# Altium PCB fpga.PcbDoc (part 1 of 11)
Units mm, origin at the board's own origin, x right, y up, seen from the top; angles counter-clockwise.
Board outline 210 x 210 mm, 2 copper layers (Top Layer, Bottom Layer), stack 1.591 mm thick; 639 components, 1839 nets, 4759 pads, 4016 vias.
Unrouted connection lines stored in the file: 10.
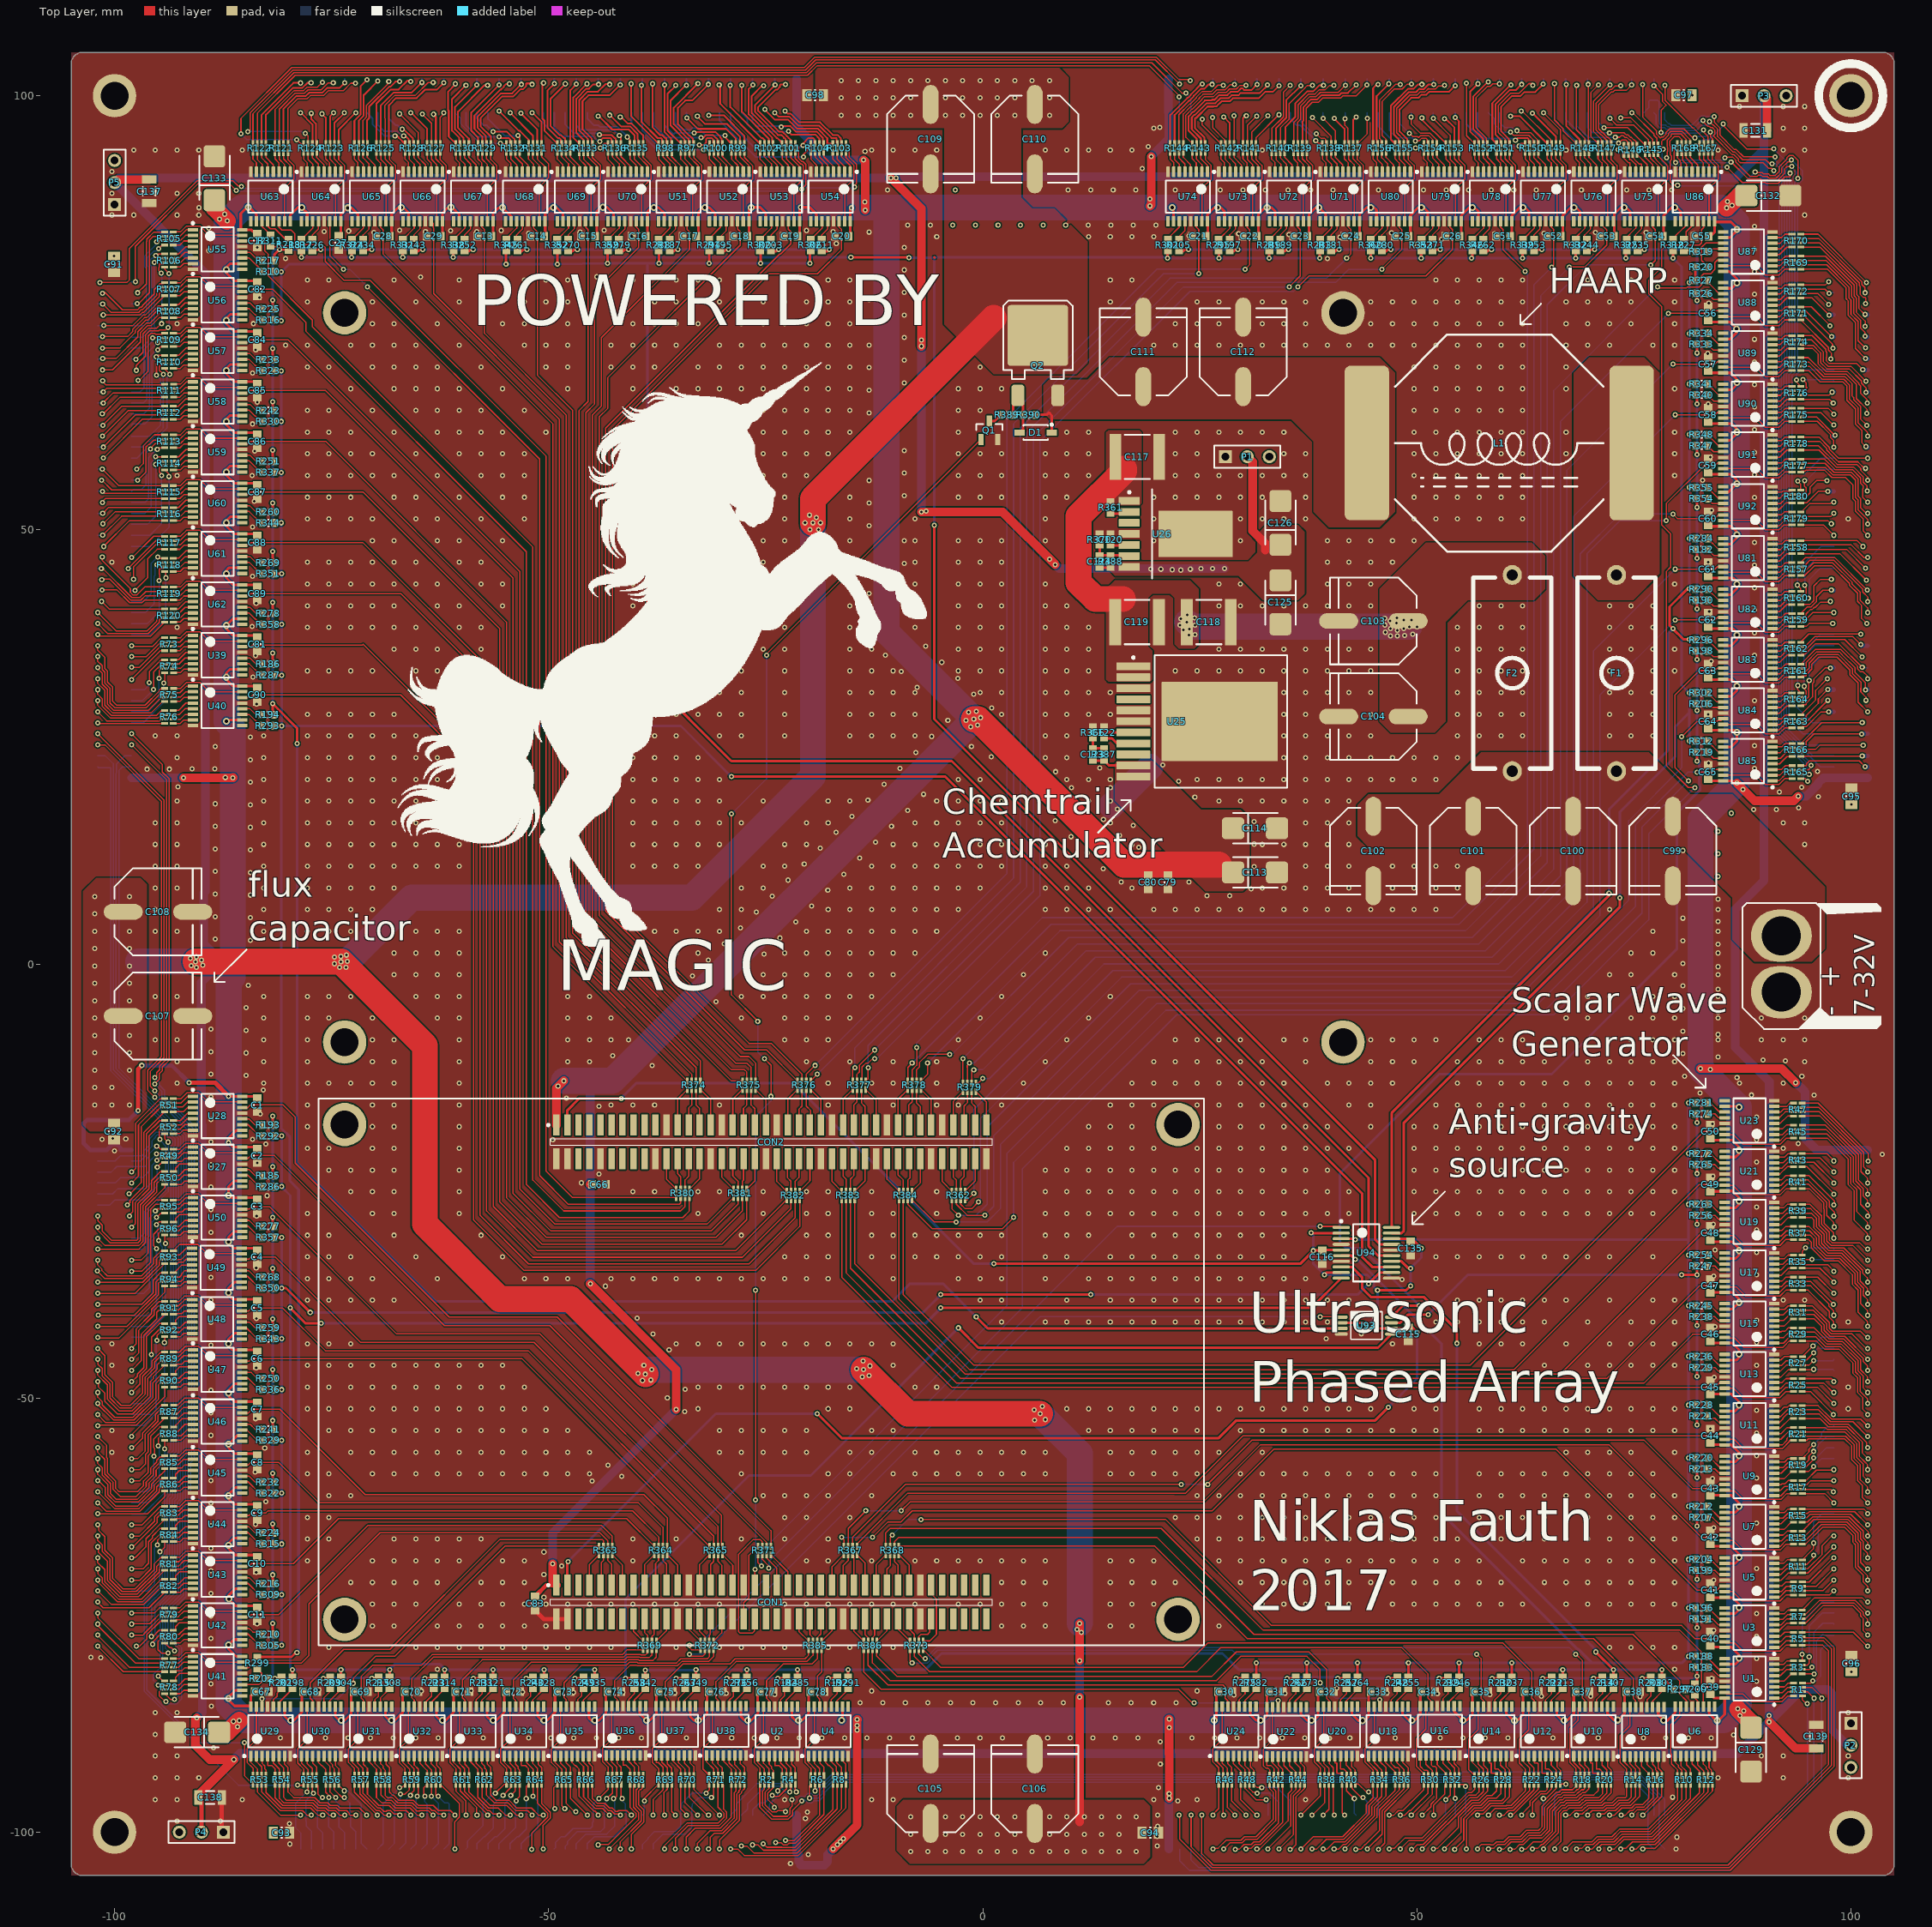
[diagram p0: Top Layer view]
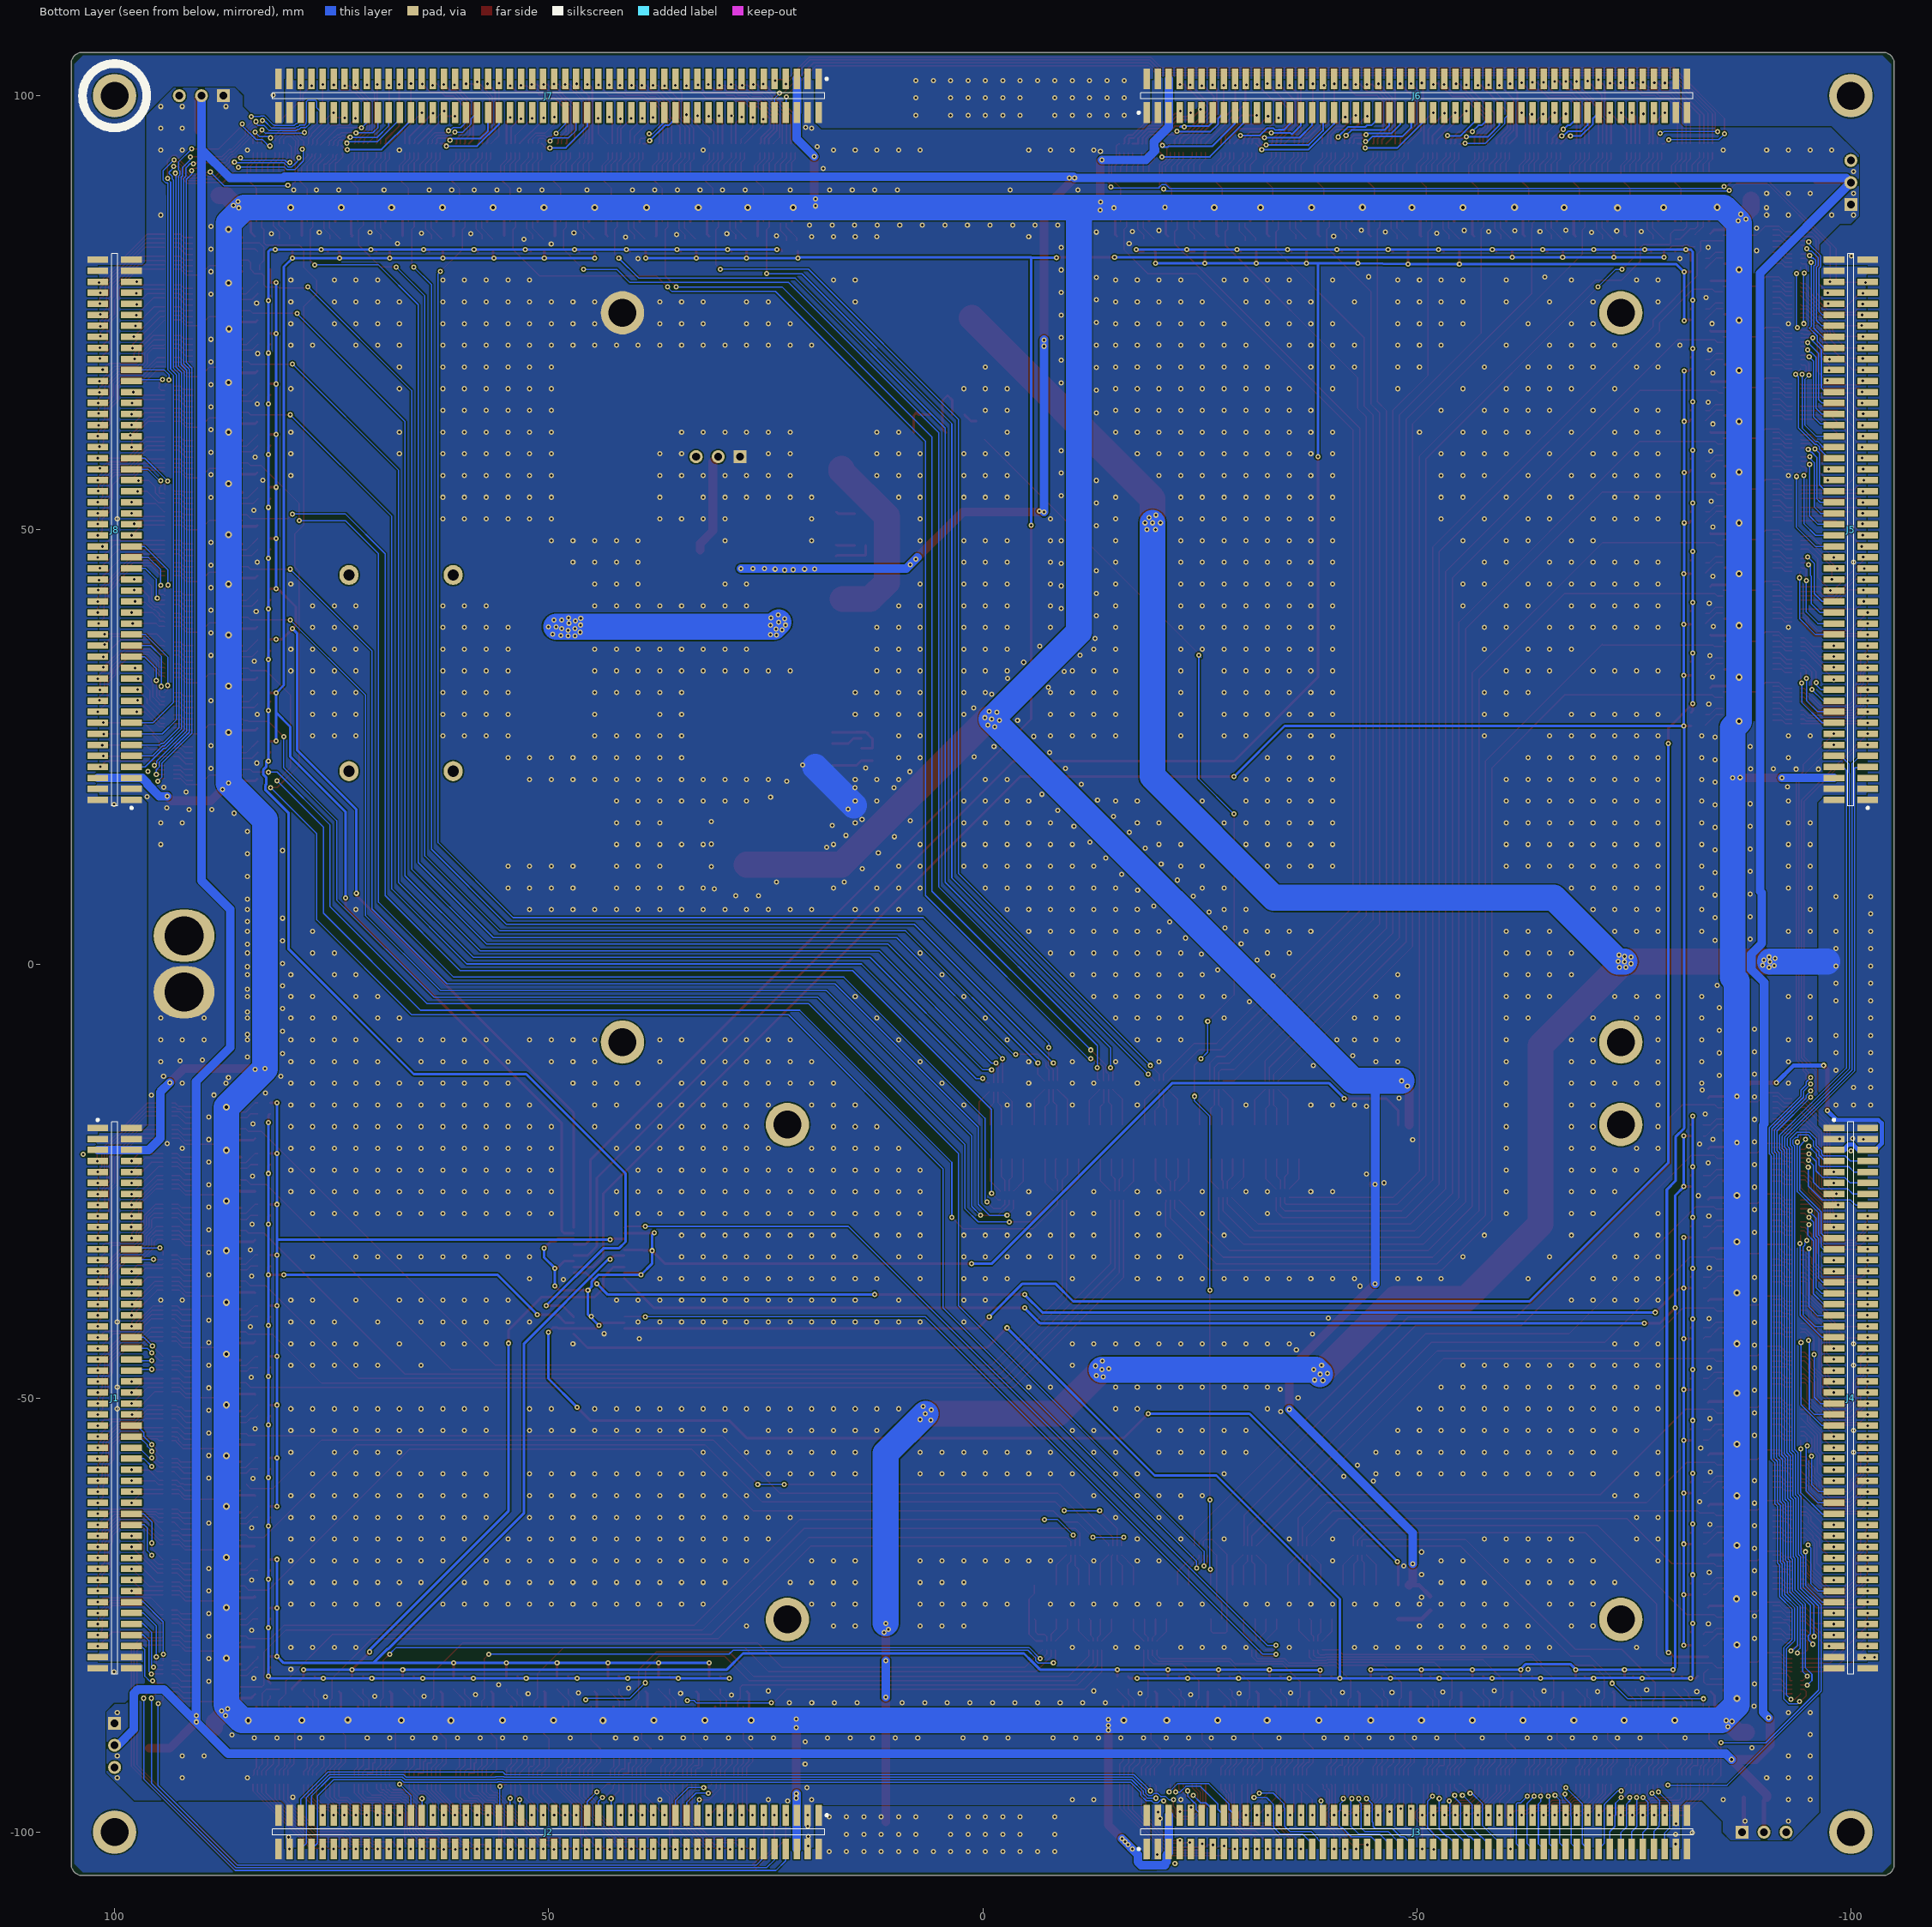
[diagram p1: Bottom Layer view, seen from below]
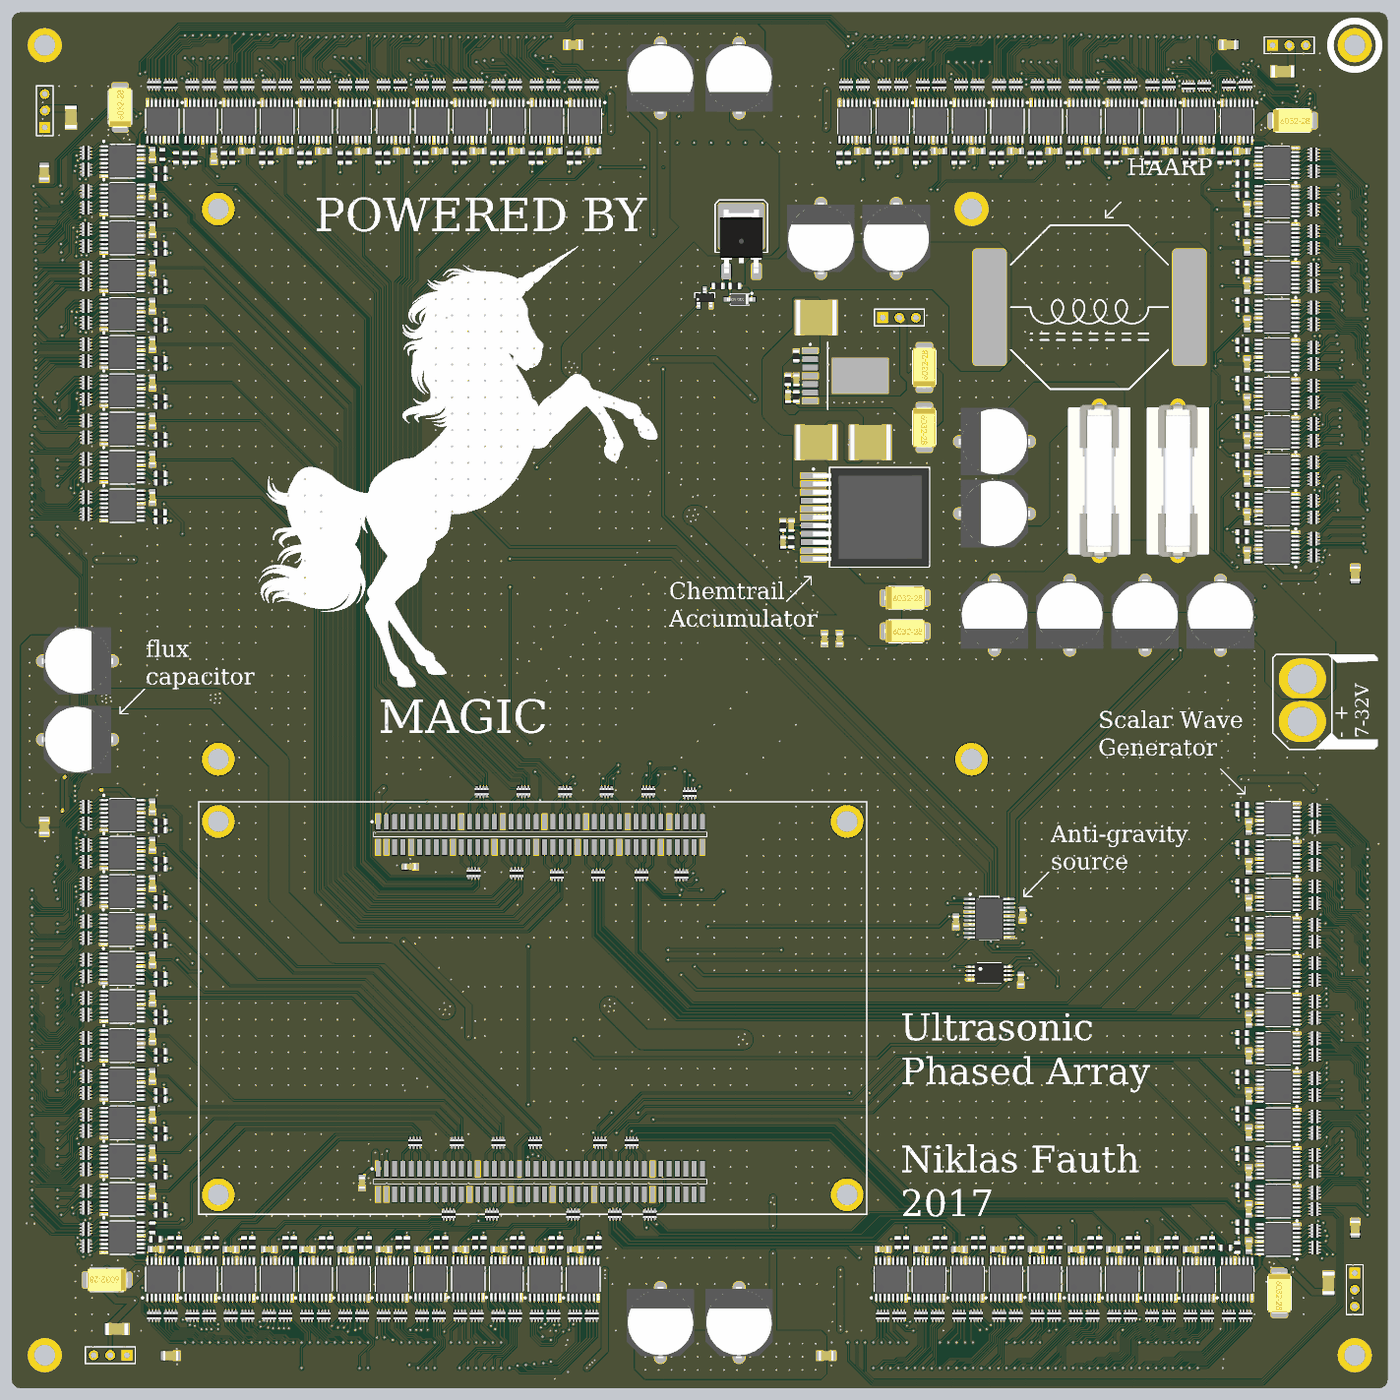
[diagram p12: 3D render of the assembled board from above, using the file's embedded part models]

## Layer stack, top to bottom
Top Solder: solder mask 0.0102, Solder Resist, Dk 3.5
Top Layer: signal copper 0.0356
Dielectric 1: dielectric 1.52, FR-4, Dk 4.8
Bottom Layer: signal copper 0.0356
Bottom Solder: solder mask 0.0102, Solder Resist, Dk 3.5

## Board outline
-105,-103.73 -105,103.73 cw(c-103.73,103.73) -103.73,105 103.73,105 cw(c103.73,103.73) 105,103.73 105,-103.73 cw(c103.73,-103.73) 103.73,-105 -103.73,-105 cw(c-103.73,-103.73)

## Design rules (kind name [scope] priority, off if disabled: settings)
Clearance [All] p1: gap=0.15 ignorepadtopadclearanceinfootprint=FALSE
ComponentClearance [All] p1 off: gap=0.254 collisioncheckmode=3 verticalgap=0.254 showdistances=FALSE
PlaneConnect [All] p1: planeconnectstyle=Direct reliefexpansion=0.508 reliefentries=4 reliefconductorwidth=0.254 reliefairgap=0.254
PolygonConnect [All] p1: connectstyle=Direct reliefconductorwidth=0.254 reliefentries=4 polygonreliefangle="90 Angle" airgapwidth=0.15
RoutingVias [All] p1: holewidth=0.3 width=0.6 viastyle="Through Hole" minholewidth=0.3 minwidth=0.5 maxholewidth=0.711 maxwidth=1.27
SolderMaskExpansion [All] p1: expansion=0.102
Width [All] p1: maxlimit=3 minlimit=0.15 preferedwidth=0.15
28 further rules are at their usual default settings.

## Classes and differential pairs
component class fpga: C1 C2 C3 C4 C5 C6 C7 C8 C9 C10 C11 C12 C13 C14 C15 C16 C17 C18 C19 C20 C21 C22 C23 C24 C25 C26 C27 C28 C29 C30 C31 C32 C33 C34 C35 C36 C37 C38 C39 C40 C41 C42 C43 C44 C45 C46 C47 C48 C49 C50 C51 C52 C53 C54 C55 C56 C57 C58 C59 C60 C61 C62 C63 C64 C65 C66 C67 C68 C69 C70 C71 C72 C73 C74 C75 C76 C77 C78 C81 C82 C83 C84 C85 C86 C87 C88 C89 C90 C91 C92 C93 C94 C95 C96 C97 C98 J1 J2 J3 J4 J5 J6 J7 J8 R1 R2 R3 R4 R5 R6 R7 R8 R9 R10 R11 R12 R13 R14 R15 R16 R17 R18 R19 R20 R21 R22 R23 R24 R25 R26 R27 R28 R29 R30 R31 R32 R33 R34 R35 R36 R37 R38 R39 R40 R41 R42 R43 R44 R45 R46 R47 R48 R49 R50 R51 R52 R53 R54 R55 R56 R57 R58 R59 R60 R61 R62 R63 R64 R65 R66 R67 R68 R69 R70 R71 R72 R73 R74 R75 R76 R77 R78 R79 R80 R81 R82 R83 R84 R85 R86 R87 R88 R89 R90 R91 R92 R93 R94 R95 R96 R97 R98 R99 R100 R101 R102 R103 R104 R105 R106 R107 R108 R109 R110 R111 R112 R113 R114 R115 R116 R117 R118 R119 R120 R121 R122 R123 R124 R125 R126 R127 R128 R129 R130 R131 R132 R133 R134 R135 R136 R137 R138 R139 R140 R141 R142 R143 R144 R145 R146 R147 R148 R149 R150 R151 R152 R153 R154 R155 R156 R157 R158 R159 R160 R161 R162 R163 R164 R165 R166 R167 R169 R170 R171 R172 R173 R174 R175 R176 R177 R178 R179 R180 R181 R182 R183 R184 R185 R186 R187 R188 R189 R190 R191 R192 R193 R194 R195 R196 R197 R198 R199 R200 R201 R202 R203 R204 R205 R206 R207 R208 R209 R210 R211 R212 R213 R214 R215 R216 R217 R218 R219 R220 R221 R222 R223 R224 R225 R226 R227 R228 R229 R230 R231 R232 R233 R234 R235 R236 R237 R238 R239 R240 R241 R242 R243 R244 R245 R246 R247 R248 R249 R250 R251 R252 R253 R254 R255 R256 R257 R258 R259 R260 R261 R262 R263 R264 R265 R266 R267 R268 R269 R270 R271 R272 R273 R274 R275 R276 R277 R278 R279 R280 R281 R282 R283 R284 R285 R286 R287 R288 R289 R290 R291 R292 R293 R294 R295 R296 R297 R298 R299 R300 R301 R302 R303 R304 R305 R306 R307 R308 R309 R310 R311 R312 R313 R314 R315 R316 R317 R318 R319 R320 R321 R322 R323 R324 R325 R326 R327 R328 R329 R330 R331 R332 R333 R334 R335 R336 R337 R338 R339 R340 R341 R342 R343 R344 R345 R346 R347 R348 R349 R350 R351 R352 R353 R354 R355 R356 R357 R358 R359 R360 U1 U2 U3 U4 U5 U6 U7 U8 U9 U10 U11 U12 U13 U14 U15 U16 U17 U18 U19 U20 U21 U22 U23 U24 U27 U28 U29 U30 U31 U32 U33 U34 U35 U36 U37 U38 U39 U40 U41 U42 U43 U44 U45 U46 U47 U48 U49 U50 U51 U52 U53 U54 U55 U56 U57 U58 U59 U60 U61 U62 U63 U64 U65 U66 U67 U68 U69 U70 U71 U72 U73 U74 U75 U76 U77 U78 U79 U80 U81 U82 U83 U84 U85 U86 U87 U88 U89 U90 U91 U92
component class shift: C99 C100 C101 C102 C103 C104 C105 C106 C107 C108 C109 C110 C111 C112 C113 C114 C115 C116 C117 C118 C119 C120 C122 C123 C124 C125 C126 C129 C131 C135 CON1 CON2 D1 F1 F2 L1 P1 P2 Q1 Q2 R361 R362 R363 R364 R365 R366 R367 R368 R369 R370 R371 R372 R373 R374 R375 R376 R377 R378 R379 R380 R381 R382 R383 R384 R385 R386 R387 R388 R389 R390 U25 U26 U93 U94

## Components (designator, comment, footprint, x,y, rotation, side; value= is the part's Value field where it differs from the comment)
C1 "100n 50V" C-0603-M -83.566,-16.256 r90 top
C2 "100n 50V" C-0603-M -83.566,-22.098 r90 top
C3 "100n 50V" C-0603-M -83.566,-27.94 r90 top
C4 "100n 50V" C-0603-M -83.566,-33.782 r90 top
C5 "100n 50V" C-0603-M -83.566,-39.624 r90 top
C6 "100n 50V" C-0603-M -83.566,-45.466 r90 top
C7 "100n 50V" C-0603-M -83.566,-51.308 r90 top
C8 "100n 50V" C-0603-M -83.566,-57.404 r90 top
C9 "100n 50V" C-0603-M -83.566,-63.246 r90 top
C10 "100n 50V" C-0603-M -83.566,-69.088 r90 top
C11 "100n 50V" C-0603-M -83.566,-74.93 r90 top
C12 "100n 50V" C-0603-M -83.566,83.312 r90 top
C13 "100n 50V" C-0603-M -57.404,83.82 r0 top
C14 "100n 50V" C-0603-M -51.308,83.82 r0 top
C15 "100n 50V" C-0603-M -45.466,83.82 r0 top
C16 "100n 50V" C-0603-M -39.624,83.82 r0 top
C17 "100n 50V" C-0603-M -33.782,83.82 r0 top
C18 "100n 50V" C-0603-M -27.94,83.82 r0 top
C19 "100n 50V" C-0603-M -22.136,83.82 r0 top
C20 "100n 50V" C-0603-M -16.256,83.82 r0 top
C21 "100n 50V" C-0603-M 24.892,83.82 r0 top
C22 "100n 50V" C-0603-M 30.734,83.82 r0 top
C23 "100n 50V" C-0603-M 36.576,83.82 r0 top
C24 "100n 50V" C-0603-M 42.418,83.82 r0 top
C25 "100n 50V" C-0603-M 48.26,83.82 r0 top
C26 "100n 50V" C-0603-M 54.102,83.82 r0 top
C27 "100n 50V" C-0603-M -74.193,83.058 r90 top
C28 "100n 50V" C-0603-M -69.088,83.82 r0 top
C29 "100n 50V" C-0603-M -63.246,83.82 r0 top
C30 "100n 50V" C-0603-M 27.94,-83.82 r180 top
C31 "100n 50V" C-0603-M 33.782,-83.82 r180 top
C32 "100n 50V" C-0603-M 39.624,-83.82 r180 top
C33 "100n 50V" C-0603-M 45.504,-83.82 r180 top
C34 "100n 50V" C-0603-M 51.308,-83.82 r180 top
C35 "100n 50V" C-0603-M 57.404,-83.82 r180 top
C36 "100n 50V" C-0603-M 63.246,-83.82 r180 top
C37 "100n 50V" C-0603-M 69.088,-83.82 r180 top
C38 "100n 50V" C-0603-M 74.93,-83.82 r180 top
C39 "100n 50V" C-0603-M 83.82,-83.312 r270 top
C40 "100n 50V" C-0603-M 83.82,-77.724 r270 top
C41 "100n 50V" C-0603-M 83.82,-72.136 r270 top
C42 "100n 50V" C-0603-M 83.82,-66.04 r270 top
C43 "100n 50V" C-0603-M 83.82,-60.452 r270 top
C44 "100n 50V" C-0603-M 83.82,-54.356 r270 top
C45 "100n 50V" C-0603-M 83.82,-48.768 r270 top
C46 "100n 50V" C-0603-M 83.82,-42.672 r270 top
C47 "100n 50V" C-0603-M 83.82,-37.084 r270 top
C48 "100n 50V" C-0603-M 83.82,-30.988 r270 top
C49 "100n 50V" C-0603-M 83.82,-25.4 r270 top
C50 "100n 50V" C-0603-M 83.82,-19.304 r270 top
C51 "100n 50V" C-0603-M 59.944,83.82 r0 top
C52 "100n 50V" C-0603-M 65.786,83.82 r0 top
C53 "100n 50V" C-0603-M 71.882,83.82 r0 top
C54 "100n 50V" C-0603-M 77.508,83.82 r0 top
C55 "100n 50V" C-0603-M 82.804,83.82 r0 top
C56 "100n 50V" C-0603-M 83.566,74.93 r270 top
C57 "100n 50V" C-0603-M 83.566,69.088 r270 top
C58 "100n 50V" C-0603-M 83.566,63.246 r270 top
C59 "100n 50V" C-0603-M 83.566,57.404 r270 top
C60 "100n 50V" C-0603-M 83.566,51.308 r270 top
C61 "100n 50V" C-0603-M 83.566,45.466 r270 top
C62 "100n 50V" C-0603-M 83.566,39.624 r270 top
C63 "100n 50V" C-0603-M 83.566,33.782 r270 top
C64 "100n 50V" C-0603-M 83.566,27.94 r270 top
C65 "100n 50V" C-0603-M 83.566,22.098 r270 top
C66 "100n 50V" C-0603-M -44.196,-25.4 r180 top
C67 "100n 50V" C-0603-M -83.058,-83.82 r180 top
C68 "100n 50V" C-0603-M -77.47,-83.82 r180 top
C69 "100n 50V" C-0603-M -71.628,-83.82 r180 top
C70 "100n 50V" C-0603-M -65.786,-83.82 r180 top
C71 "100n 50V" C-0603-M -59.944,-83.82 r180 top
C72 "100n 50V" C-0603-M -54.102,-83.82 r180 top
C73 "100n 50V" C-0603-M -48.26,-83.82 r180 top
C74 "100n 50V" C-0603-M -42.418,-83.82 r180 top
C75 "100n 50V" C-0603-M -36.538,-83.82 r180 top
C76 "100n 50V" C-0603-M -30.734,-83.82 r180 top
C77 "100n 50V" C-0603-M -24.892,-83.82 r180 top
C78 "100n 50V" C-0603-M -19.05,-83.82 r180 top
C79 "100n 50V" C-0603-M 21.336,9.398 r90 top
C80 "100n 50V" C-0603-M 19.05,9.398 r90 top
C81 "100n 50V" C-0603-M -83.566,36.83 r90 top
C82 "100n 50V" C-0603-M -83.566,77.724 r90 top
C83 "100n 50V" C-0603-M -51.562,-73.66 r90 top
C84 "100n 50V" C-0603-M -83.566,71.882 r90 top
C85 "100n 50V" C-0603-M -83.566,66.04 r90 top
C86 "100n 50V" C-0603-M -83.566,60.198 r90 top
C87 "100n 50V" C-0603-M -83.566,54.356 r90 top
C88 "100n 50V" C-0603-M -83.566,48.514 r90 top
C89 "100n 50V" C-0603-M -83.566,42.672 r90 top
C90 "100n 50V" C-0603-M -83.566,30.988 r90 top
C91 "10u 35V" C-0805-M -100.076,80.584 r90 top
C92 "10u 35V" C-0805-M -100.076,-19.304 r90 top
C93 "10u 35V" C-0805-M -80.772,-100.076 r180 top
C94 "10u 35V" C-0805-M 19.304,-100.076 r180 top
C95 "10u 35V" C-0805-M 100.076,19.304 r270 top
C96 "10u 35V" C-0805-M 100.076,-80.584 r270 top
C97 "10u 35V" C-0805-M 80.772,100.076 r0 top
C98 "10u 35V" C-0805-M -19.304,100.076 r0 top
C99 "470u 25V" SMD-10x10 79.5,13 r90 top
C100 "470u 25V" SMD-10x10 68,13 r90 top
C101 "470u 25V" SMD-10x10 56.5,13 r90 top
C102 "470u 25V" SMD-10x10 45,13 r90 top
C103 "470u 25V" SMD-10x10 45,39.5 r0 top
C104 "470u 25V" SMD-10x10 45,28.5 r0 top
C105 "470u 25V" SMD-10x10 -6,-95 r270 top
C106 "470u 25V" SMD-10x10 6,-95 r270 top
C107 "470u 25V" SMD-10x10 -95,-6 r180 top
C108 "470u 25V" SMD-10x10 -95,6 r180 top
C109 "470u 25V" SMD-10x10 -6,95 r90 top
C110 "470u 25V" SMD-10x10 6,95 r90 top
C111 "470u 25V" SMD-10x10 18.5,70.5 r270 top
C112 "470u 25V" SMD-10x10 30,70.5 r270 top
C113 "100u 10V" "C-TANT-C 2.8mm" 31.369,10.541 r0 top
C114 "100u 10V" "C-TANT-C 2.8mm" 31.369,15.621 r0 top
C115 "100n 50V" C-0603-M 49.022,-42.672 r90 top
C116 "100n 50V" C-0603-M 39.116,-33.782 r90 top
C117 "15u 100V" C-2220 17.795,58.42 r180 top
C118 "15u 100V" C-2220 26.035,39.37 r180 top
C119 "15u 100V" C-2220 17.78,39.37 r180 top
C120 "22n 50V" C-0603-H 14.732,48.895 r270 top
C122 "22n 50V" C-0603-H 13.97,26.67 r270 top
C123 "22n 50V" C-0603-H 12.7,24.13 r270 top
C124 "22n 50V" C-0603-H 13.462,46.355 r270 top
C125 "100u 10V" "C-TANT-C 2.8mm" 34.29,41.656 r270 top
C126 "100u 10V" "C-TANT-C 2.8mm" 34.29,50.8 r90 top
C129 "100u 10V" "C-TANT-C 2.8mm" 88.5,-90.5 r270 top
C131 "10u 50V" C-1206-H 89,96 r180 top
C132 "100u 10V" "C-TANT-C 2.8mm" 90.5,88.5 r0 top (schematic designator C129)
C133 "100u 10V" "C-TANT-C 2.8mm" -88.5,90.5 r90 top (schematic designator C129)
C134 "100u 10V" "C-TANT-C 2.8mm" -90.5,-88.5 r180 top (schematic designator C129)
C135 "100n 50V" C-0603-M 49.276,-32.766 r90 top
C137 "10u 50V" C-1206-H -96,89 r270 top (schematic designator C131)
C138 "10u 50V" C-1206-H -89,-96 r0 top (schematic designator C131)
C139 "10u 50V" C-1206-H 96,-89 r90 top (schematic designator C131)
CON1 "zTurn_CN1" zTurn -24.35,-73.5 r90 top
CON2 "zTurn_CN2" zTurn -24.35,-20.5 r90 top
D1 "MMSZ12T1G" SOD123 6.096,61.214 r0 top
F1 "Fuse 20x5" FUSE-22.5 73,33.5 r90 top
F2 "Fuse 20x5" FUSE-22.5 61,33.5 r90 top
J1 "CONN" SOP127P640X300-100L 100,-50 r180 bottom
J2 "CONN" SOP127P640X300-100L 50,-100 r270 bottom
J3 "CONN" SOP127P640X300-100L -50,-100 r90 bottom
J4 "CONN" SOP127P640X300-100L -100,-50 r180 bottom
J5 "CONN" SOP127P640X300-100L -100,50 r0 bottom
J6 "CONN" SOP127P640X300-100L -50,100 r90 bottom
J7 "CONN" SOP127P640X300-100L 50,100 r270 bottom
J8 "CONN" SOP127P640X300-100L 100,50 r0 bottom
L1 "INDC_180u_Toroid" IND_SMD_TOROID_1.2x1.0in 59.5,60 r180 top value=180µ
P1 "Header 3" HDR1X3 27.94,58.42 r0 top
P2 "Header 3" HDR1X3 100,-87.46 r270 top
P3 "Header 3" HDR1X3 87.46,100 r0 top (schematic designator P2)
P4 "Header 3" HDR1X3 -87.46,-100 r180 top (schematic designator P2)
P5 "Header 3" HDR1X3 -100,87.46 r90 top (schematic designator P2)
Q1 "MOSFET-N" SOT-23 0.762,61.468 r90 top
Q2 "Mosfet-P-Dpak" DPAK 6.35,72.39 r0 top
R1 "33" CAC-50P200X100-8N 93.916,-83.578 r0 top
R2 "33" CAC-50P200X100-8N -24.892,-93.98 r270 top
R3 "33" CAC-50P200X100-8N 93.9,-81.014 r0 top
R4 "33" CAC-50P200X100-8N -22.352,-93.98 r270 top
R5 "33" CAC-50P200X100-8N 93.9,-77.728 r0 top
R6 "33" CAC-50P200X100-8N -19.05,-93.98 r270 top
R7 "33" CAC-50P200X100-8N 93.9,-75.18 r0 top
R8 "33" CAC-50P200X100-8N -16.51,-93.98 r270 top
R9 "33" CAC-50P200X100-8N 93.908,-71.94 r0 top